# KiCad board URC.kicad_pcb (continued)
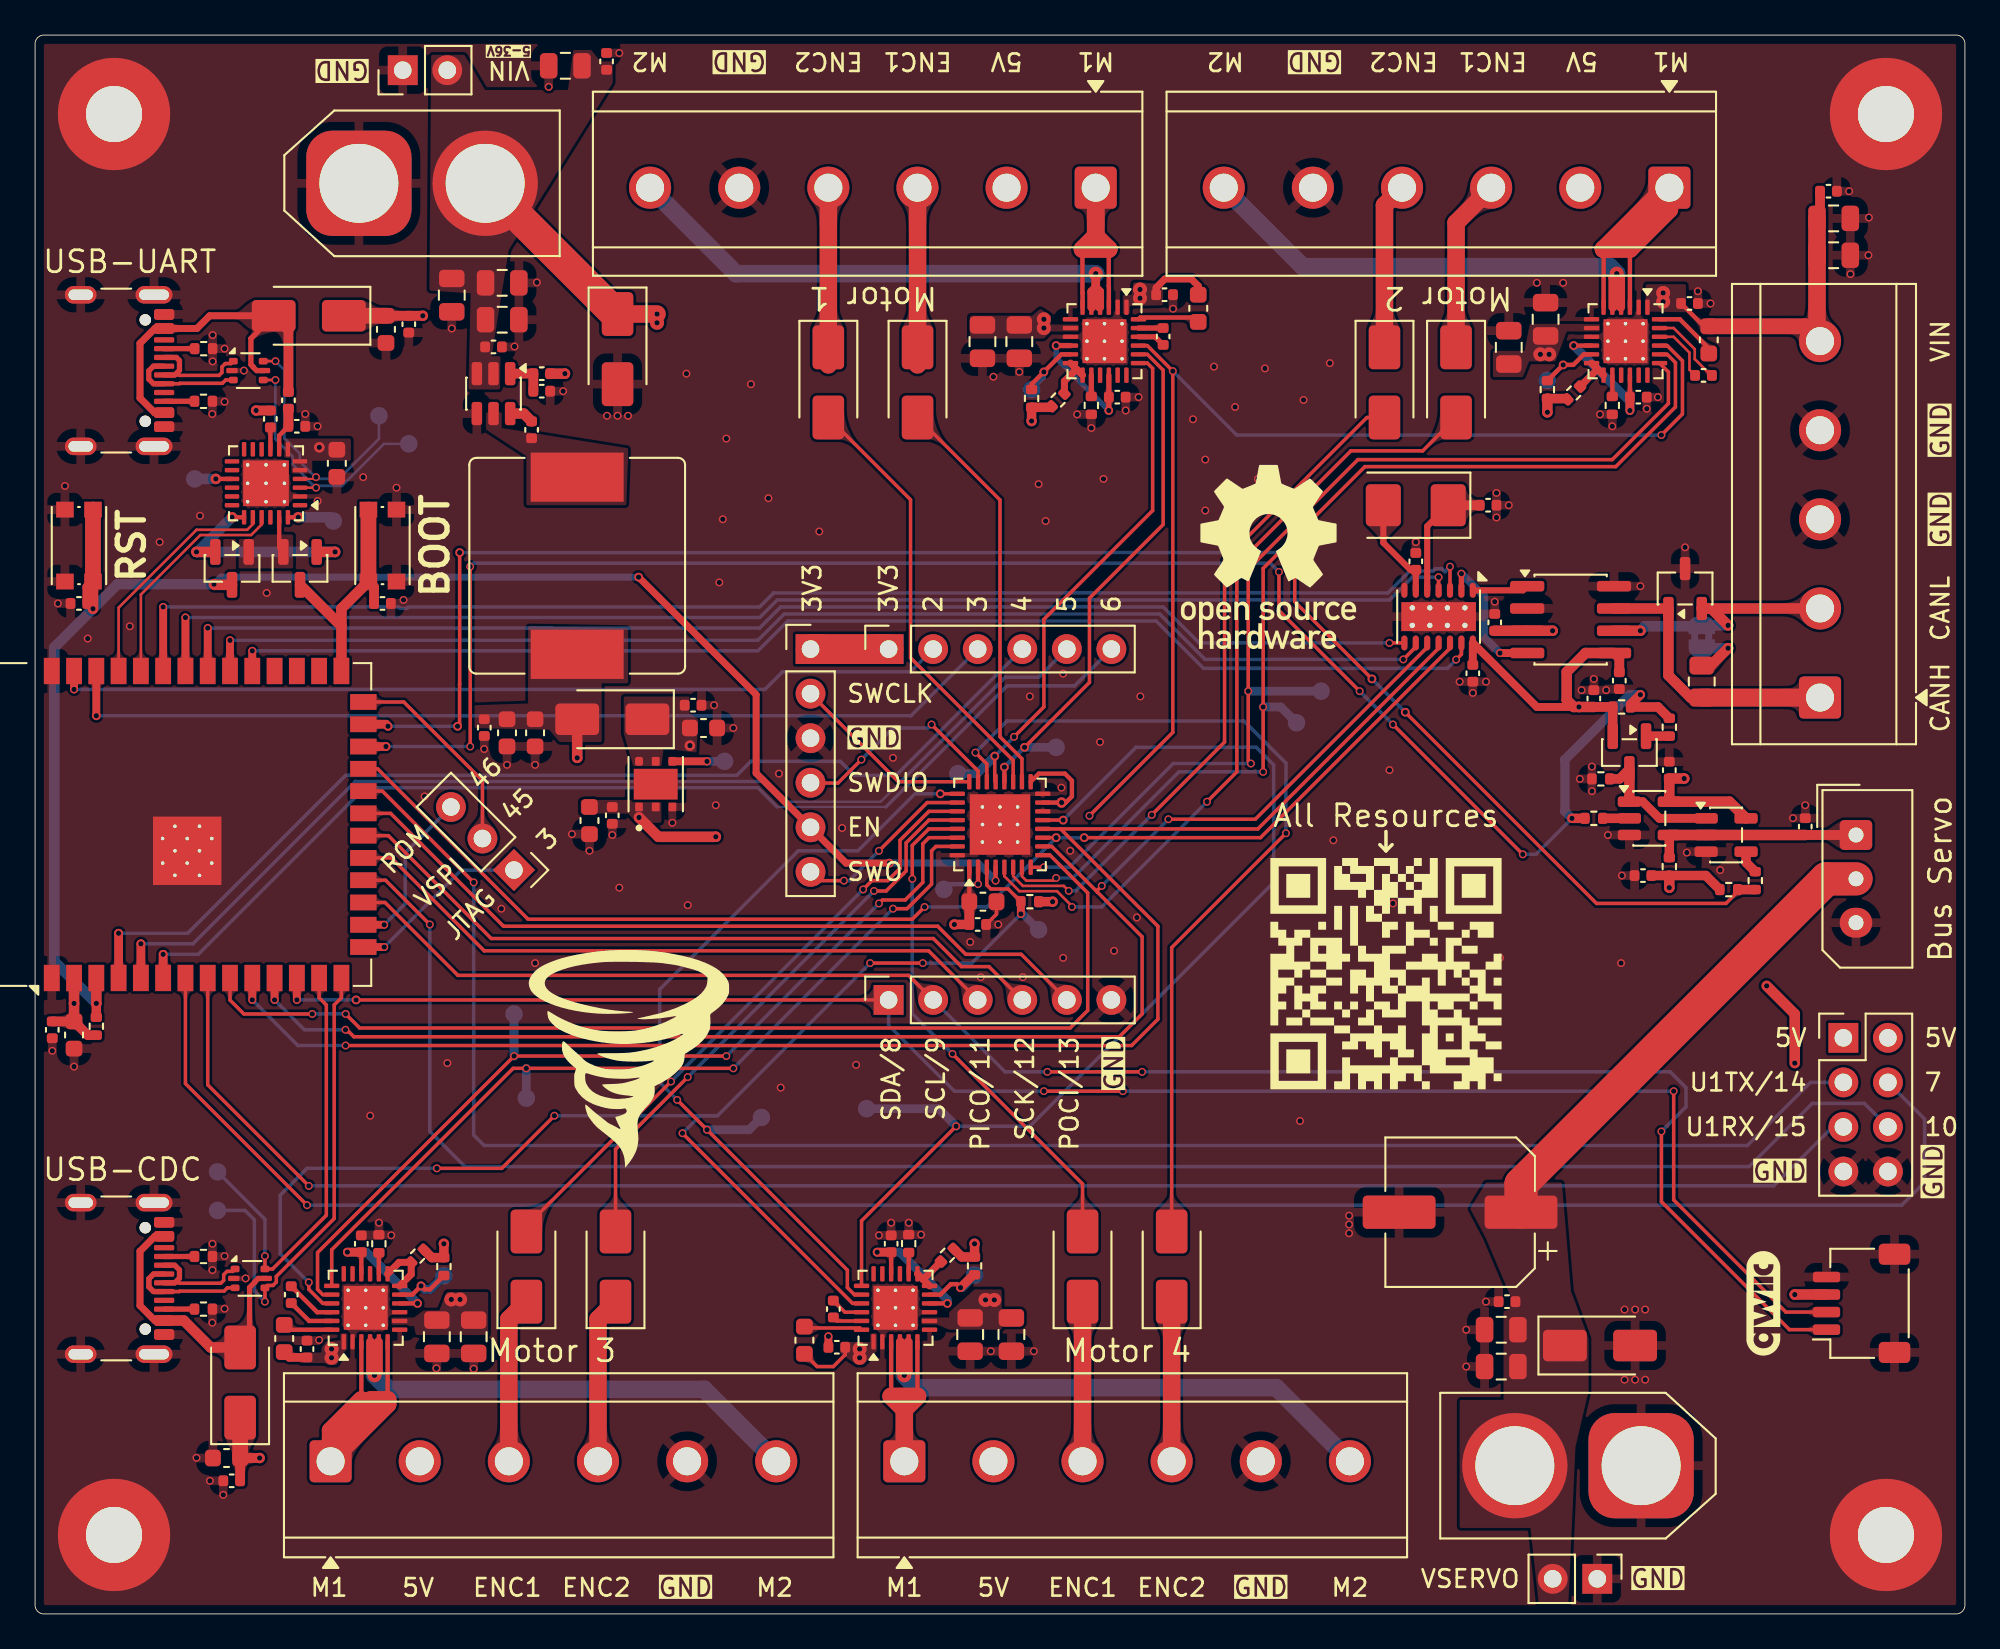
[diagram p0: board, top side]
## Library data of the parts (continued)
R5 = -: Datasheet: https://yageogroup.com/content/datasheet/asset/file/PYU-RC_GROUP_51_ROHS_L; Description: Resistor; KiLib_Generator: SMD_2terminal_chip_molded; Manufacturer: YAGEO; MPN: RC0402JR-071KL; ki_fp_filters: R_*
R6 = -: Datasheet: https://industrial.panasonic.com/cdbs/www-data/pdf/RDA0000/AOA0000C304.pdf; Description: Resistor; KiLib_Generator: SMD_2terminal_chip_molded; Manufacturer: Panasonic; MPN: ERJ-2RKF2212X; ki_fp_filters: R_*
R7 = -: Datasheet: https://yageogroup.com/content/datasheet/asset/file/PYU-RC_GROUP_51_ROHS_L; Description: Resistor; KiLib_Generator: SMD_2terminal_chip_molded; Manufacturer: YAGEO; MPN: RC0402FR-0747K5L; ki_fp_filters: R_*
R8 R11 R12 R15 R17 R19 R20 R23 R24 R26 R27 R29-R31 = -: Datasheet: https://yageogroup.com/content/datasheet/asset/file/PYU-RC_GROUP_51_ROHS_L; Description: Resistor; KiLib_Generator: SMD_2terminal_chip_molded; Manufacturer: YAGEO; MPN: RC0402JR-0710KL; ki_fp_filters: R_*
R9 = -: Datasheet: https://yageogroup.com/content/datasheet/asset/file/PYU-RT_1-TO-0-01_ROHS_L; Description: Resistor; KiLib_Generator: SMD_2terminal_chip_molded; Manufacturer: YAGEO; MPN: RT0402BRE07100KL; ki_fp_filters: R_*
R10 = -: Datasheet: https://yageogroup.com/content/datasheet/asset/file/PYU-RT_1-TO-0-01_ROHS_L; Description: Resistor; KiLib_Generator: SMD_2terminal_chip_molded; Manufacturer: YAGEO; MPN: RT0402BRD0719K1L; ki_fp_filters: R_*
R13 = -: Datasheet: https://yageogroup.com/content/datasheet/asset/file/PYU-RC_GROUP_51_ROHS_L; Description: Resistor; KiLib_Generator: SMD_2terminal_chip_molded; Manufacturer: YAGEO; MPN: RC0402JR-0720KL; ki_fp_filters: R_*
R14 R16 = -: Datasheet: https://industrial.panasonic.com/cdbs/www-data/pdf/RDO0000/AOA0000C331.pdf; Description: Resistor; KiLib_Generator: SMD_2terminal_chip_molded; Manufacturer: Panasonic; MPN: ERJ-PA2J101X; ki_fp_filters: R_*
R18 = -: Datasheet: https://industrial.panasonic.com/cdbs/www-data/pdf/RDP0000/AOA0000C337.pdf; Description: Resistor; KiLib_Generator: SMD_2terminal_chip_molded; Manufacturer: Panasonic; MPN: ERJ-UP6F1200V; ki_fp_filters: R_*
R21 R22 R25 R28 = -: Datasheet: https://yageogroup.com/content/datasheet/asset/file/PYU-RC_GROUP_51_ROHS_L; Description: Resistor; KiLib_Generator: SMD_2terminal_chip_molded; Manufacturer: YAGEO; MPN: RC0402FR-07330KL; ki_fp_filters: R_*
SW1 SW2 = -: Datasheet: http://www.ckswitches.com/media/1479/kmr2.pdf; Description: Push button switch, generic, two pins; Manufacturer: C&K; MPN: KMR223G LFG
TP1-TP7 TP9-TP22 = -: Description: test point; ki_fp_filters: Pin* Test*
U1 U2 = -: Datasheet: https://www.st.com/resource/en/datasheet/usblc6-2.pdf; Description: Very low capacitance ESD protection diode, 2 data-line, SOT-666; Manufacturer: STMicroelectronics; ki_fp_filters: SOT?666*
U3 = -: Datasheet: https://www.silabs.com/documents/public/data-sheets/cp2102n-datasheet.pdf; Description: USB to UART master bridge, QFN-24; KiLib_Generator: package/no_lead; Manufacturer: Silicon Labs; ki_fp_filters: QFN*4x4mm*P0.5mm*
U4 = -: Datasheet: https://www.espressif.com/sites/default/files/documentation/esp32-s3-wroom-1_wroom-1u_datasheet_en.pdf; Description: RF Module, ESP32-S3 SoC, Wi-Fi 802.11b/g/n, Bluetooth, BLE, 32-bit, 3.3V, onboard antenna, SMD; Manufacturer: Espressif Systems; MPN: ESP32-S3-WROOM-1-N16R8; ki_fp_filters: ESP32?S3?WROOM?1*
U5 = -: Datasheet: https://www.ti.com/lit/ds/symlink/lmr51635.pdf; Description: 4.3V to 60V, 3.5A, Synchronous, Buck Converter With Low IQ; KiLib_Generator: package/gullwing; Manufacturer: Texas Instruments; ki_fp_filters: SOT?23*
U6 = -: Datasheet: https://www.st.com/content/ccc/resource/technical/document/datasheet/4b/e6/2e/a4/16/04/46/9d/DM00102135.pdf/files/DM00102135.pdf/jcr:content/translations/en.DM00102135.pdf; Description: 2 A high PSRR ultra low drop linear regulator with reverse current protection; Manufacturer: STMicroelectronics; ki_fp_filters: SOT?23*
U7 = -: Datasheet: http://www.ti.com/lit/ds/symlink/sn74lvc1g125.pdf; Description: Single Buffer Gate Tri-State, Low-Voltage CMOS, SOT-23-5; KiLib_Generator: package/gullwing; Manufacturer: Texas Instruments; MPN: SN74LVC1G125DBVR; ki_fp_filters: SOT?23*
U8 = -: Datasheet: http://www.ti.com/lit/ds/symlink/sn74lvc1g126.pdf; Description: Single Bus Buffer Gate With 3-State Output; KiLib_Generator: package/gullwing; Manufacturer: Texas Instruments; MPN: SN74LVC1G126DBVR; ki_fp_filters: SOT?23*
U9 = -: Datasheet: https://ww1.microchip.com/downloads/aemDocuments/documents/OTH/ProductDocuments/DataSheets/External-CAN-FD-Controller-with-SPI-Interface-DS20006027B.pdf; Description: CAN FD Controller with SPI Interface, up to 8 Mbps, Vdd 2.7..5.5V,  functional safety ready, VDFN-14; Manufacturer: Microchip Technology; MPN: MCP2518FDT-E/QBB; ki_fp_filters: DFN*1EP*3x4.5mm*P0.65mm*
U10 = -: Datasheet: http://ww1.microchip.com/downloads/en/DeviceDoc/25167A.pdf; Description: High-Speed CAN Transceiver, 1Mbps, 5V supply, Vio pin, -40C to +125C, SOIC-8; KiLib_Generator: package/gullwing; Manufacturer: Microchip Technology; MPN: MCP2562-E/SN; ki_fp_filters: SOIC*3.9x4.9mm*P1.27mm*
U11 = -: Datasheet: https://www.st.com/resource/en/datasheet/stm32g431kb.pdf; Description: STMicroelectronics Arm Cortex-M4 MCU, 128KB flash, 32KB RAM, 170 MHz, 1.71-3.6V, 26 GPIO, UFQFPN32; KiLib_Generator: package/no_lead; Manufacturer: STMicroelectronics; ki_fp_filters: QFN*1EP*5x5mm*P0.5mm*
U12-U15 = -: Datasheet: https://www.ti.com/lit/ds/symlink/drv8256.pdf; Description: H-Bridge Motor Driver With Integrated Current Sense and Smart Tune Technology; KiLib_Generator: package/no_lead; Manufacturer: Texas Instruments; ki_fp_filters: Texas*RGP0020D*
Y1 = -: Datasheet: https://www.hcixtal.com/uploads/44524/files/0153G2.pdf; Description: Two pin crystal; KiLib_Generator: crystal_resonator_oscillator; Manufacturer: SUZHOU HANGJING ELEC&TECH CO., LTD; MPN: 0153G2-40.000F18HPLJK; ki_fp_filters: Crystal*

## Footprints (pads in the part's own frame, mm; a bottom-side part is the same pattern mirrored in y, then rotated)
AMASS_XT60-M_1x02_P7.20mm_Vertical
  rrect 6x6 hole 4.5: 1(0,0)
  round 6 hole 4.5: 2(7.2,0)
C_0402_1005Metric
  rrect 0.56x0.62 smd: 1(-0.48,0) 2(0.48,0)
C_0603_1608Metric
  rrect 0.9x0.95 smd: 1(-0.775,0) 2(0.775,0)
C_0805_2012Metric
  rrect 1x1.45 smd: 1(-0.95,0) 2(0.95,0)
CP_Elec_8x6.9
  rrect 4.15x1.9 smd: 1(-3.475,0) 2(3.475,0)
Crystal_SMD_5032-2Pin_5.0x3.2mm
  rrect 2x2.4 smd: 1(-1.85,0) 2(1.85,0)
D_SMA
  rrect 2.5x1.8 smd: 1(-2,0) 2(2,0)
DFN-14-1EP_3x4.5mm_P0.65mm_EP1.65x4.25mm_ThermalVias
  rect 1.5x0.3 smd: (0,1.9) (0,-1.9)
  rect 0.5x0.5 smd: (0,1.5) (0,0.5) (0,-0.5) (0,-1.5)
  rect 1.5x0.5 smd: (0,1) (0,0) (0,-1)
  oval 0.85x0.35 smd: 1(-1.5,1.95) 2(-1.5,1.3) 3(-1.5,0.65) 4(-1.5,0) 5(-1.5,-0.65) 6(-1.5,-1.3) 7(-1.5,-1.95) 8(1.5,-1.95) 9(1.5,-1.3) 10(1.5,-0.65) 11(1.5,0) 12(1.5,0.65) 13(1.5,1.3) 14(1.5,1.95)
  round 0.65 hole 0.3: 15(-0.5,1.5) 15(-0.5,0.5) 15(-0.5,-0.5) 15(-0.5,-1.5) 15(0.5,1.5) 15(0.5,0.5) 15(0.5,-0.5) 15(0.5,-1.5)
  rect 1.65x4.25 smd: 15(0,0)
  rect 1.65x4.25 smd far side: 15(0,0)
ESP32-S3-WROOM-1
  rect 0.9x0.9 smd: (-2.9,-1.06) (-2.9,-2.46) (-2.9,-3.86) (-1.5,-1.06) (-1.5,-2.46) (-1.5,-3.86) (-0.1,-1.06) (-0.1,-2.46) (-0.1,-3.86)
  rect 1.5x0.9 smd: 1(-8.75,5.26) 2(-8.75,3.99) 3(-8.75,2.72) 4(-8.75,1.45) 5(-8.75,0.18) 6(-8.75,-1.09) 7(-8.75,-2.36) 8(-8.75,-3.63) 9(-8.75,-4.9) 10(-8.75,-6.17) 11(-8.75,-7.44) 12(-8.75,-8.71) 13(-8.75,-9.98) 14(-8.75,-11.25) 27(8.75,-11.25) 28(8.75,-9.98) 29(8.75,-8.71) 30(8.75,-7.44) 31(8.75,-6.17) 32(8.75,-4.9) 33(8.75,-3.63) 34(8.75,-2.36) 35(8.75,-1.09) 36(8.75,0.18) 37(8.75,1.45) 38(8.75,2.72) 39(8.75,3.99) 40(8.75,5.26)
  rect 0.9x1.5 smd: 15(-6.985,-12.5) 16(-5.715,-12.5) 17(-4.445,-12.5) 18(-3.175,-12.5) 19(-1.905,-12.5) 20(-0.635,-12.5) 21(0.635,-12.5) 22(1.905,-12.5) 23(3.175,-12.5) 24(4.445,-12.5) 25(5.715,-12.5) 26(6.985,-12.5)
  round 0.6 hole 0.2: 41(-2.9,-1.76) 41(-2.9,-3.16) 41(-2.2,-1.06) 41(-2.2,-2.46) 41(-2.2,-3.86) 41(-1.5,-1.76) 41(-1.5,-3.16) 41(-0.8,-1.06) 41(-0.8,-2.46) 41(-0.8,-3.86) 41(-0.1,-1.76) 41(-0.1,-3.16)
  rect 3.9x3.9 smd: 41(-1.5,-2.46)
JST_SH_SM04B-SRSS-TB_1x04-1MP_P1.00mm_Horizontal
  rrect 0.6x1.55 smd: 1(-1.5,2) 2(-0.5,2) 3(0.5,2) 4(1.5,2)
  rrect 1.2x1.8 smd: MP(-2.8,-1.875) MP(2.8,-1.875)
L_Bourns_SRR1210A
  rect 2.8x5.3 smd: 1(-5.05,0) 2(5.05,0)
LD39200PU33R
  rrect 0.5x0.44 smd: 1(-1.3,0.95)
  rrect 0.5x0.45 smd: 2(-1.3,0) 3(-1.3,-0.95) 4(1.3,-0.95) 5(1.3,0) 6(1.3,0.95)
  rect 1.75x2.5 smd: 3(0,0)
Molex_SPOX_5267-03A_1x03_P2.50mm_Vertical
  rrect 1.7x1.85 hole 0.85: 1(0,0)
  oval 1.7x1.85 hole 0.85: 2(2.5,0) 3(5,0)
MountingHole_3.2mm_M3_Pad
  round 6.4 hole 3.2: 1(0,0)
PinHeader_1x02_P2.54mm_Vertical
  rect 1.7x1.7 hole 1: 1(0,0)
  round 1.7 hole 1: 2(0,-2.54)
PinHeader_1x03_P2.54mm_Vertical
  rect 1.7x1.7 hole 1: 1(0,0)
  round 1.7 hole 1: 2(0,-2.54) 3(0,-5.08)
PinHeader_1x06_P2.54mm_Vertical
  rect 1.7x1.7 hole 1: 1(0,0)
  round 1.7 hole 1: 2(0,-2.54) 3(0,-5.08) 4(0,-7.62) 5(0,-10.16) 6(0,-12.7)
PinHeader_2x04_P2.54mm_Vertical
  rect 1.7x1.7 hole 1: 1(0,0)
  round 1.7 hole 1: 2(2.54,0) 3(0,-2.54) 4(2.54,-2.54) 5(0,-5.08) 6(2.54,-5.08) 7(0,-7.62) 8(2.54,-7.62)
PinSocket_1x06_P2.54mm_Vertical
  rect 1.7x1.7 hole 1: 1(0,0)
  round 1.7 hole 1: 2(0,-2.54) 3(0,-5.08) 4(0,-7.62) 5(0,-10.16) 6(0,-12.7)
QFN-24-1EP_4x4mm_P0.5mm_EP2.6x2.6mm_ThermalVias
  rrect 1.13x1.13 smd: (-0.65,0.65) (-0.65,-0.65) (0.65,0.65) (0.65,-0.65)
  rrect 0.825x0.25 smd: 1(-1.938,1.25) 2(-1.938,0.75) 3(-1.938,0.25) 4(-1.938,-0.25) 5(-1.938,-0.75) 6(-1.938,-1.25) 13(1.938,-1.25) 14(1.938,-0.75) 15(1.938,-0.25) 16(1.938,0.25) 17(1.938,0.75) 18(1.938,1.25)
  rrect 0.25x0.825 smd: 7(-1.25,-1.938) 8(-0.75,-1.938) 9(-0.25,-1.938) 10(0.25,-1.938) 11(0.75,-1.938) 12(1.25,-1.938) 19(1.25,1.938) 20(0.75,1.938) 21(0.25,1.938) 22(-0.25,1.938) 23(-0.75,1.938) 24(-1.25,1.938)
  round 0.5 hole 0.2: 25(-1.05,1.05) 25(-1.05,0) 25(-1.05,-1.05) 25(0,1.05) 25(0,0) 25(0,-1.05) 25(1.05,1.05) 25(1.05,0) 25(1.05,-1.05)
  rect 2.6x2.6 smd: 25(0,0)
  rect 2.6x2.6 smd far side: 25(0,0)
QFN-32-1EP_5x5mm_P0.5mm_EP3.45x3.45mm_ThermalVias
  rrect 0.93x0.93 smd: (-1.15,1.15) (-1.15,0) (-1.15,-1.15) (0,1.15) (0,0) (0,-1.15) (1.15,1.15) (1.15,0) (1.15,-1.15)
  rrect 0.875x0.25 smd: 1(-2.438,1.75) 2(-2.438,1.25) 3(-2.438,0.75) 4(-2.438,0.25) 5(-2.438,-0.25) 6(-2.438,-0.75) 7(-2.438,-1.25) 8(-2.438,-1.75) 17(2.438,-1.75) 18(2.438,-1.25) 19(2.438,-0.75) 20(2.438,-0.25) 21(2.438,0.25) 22(2.438,0.75) 23(2.438,1.25) 24(2.438,1.75)
  rrect 0.25x0.875 smd: 9(-1.75,-2.438) 10(-1.25,-2.438) 11(-0.75,-2.438) 12(-0.25,-2.438) 13(0.25,-2.438) 14(0.75,-2.438) 15(1.25,-2.438) 16(1.75,-2.438) 25(1.75,2.438) 26(1.25,2.438) 27(0.75,2.438) 28(0.25,2.438) 29(-0.25,2.438) 30(-0.75,2.438) 31(-1.25,2.438) 32(-1.75,2.438)
  round 0.5 hole 0.2: 33(-1,1) 33(-1,0) 33(-1,-1) 33(0,1) 33(0,0) 33(0,-1) 33(1,1) 33(1,0) 33(1,-1)
  rect 2.5x2.5 smd far side: 33(0,0)
  rect 3.45x3.45 smd: 33(0,0)
R_0402_1005Metric
  rrect 0.54x0.64 smd: 1(-0.51,0) 2(0.51,0)
R_0805_2012Metric
  rrect 1.025x1.4 smd: 1(-0.912,0) 2(0.912,0)
SOIC-8_3.9x4.9mm_P1.27mm
  rrect 1.95x0.6 smd: 1(-2.475,1.905) 2(-2.475,0.635) 3(-2.475,-0.635) 4(-2.475,-1.905) 5(2.475,-1.905) 6(2.475,-0.635) 7(2.475,0.635) 8(2.475,1.905)
SolderJumper-2_P1.3mm_Bridged2Bar_RoundedPad1.0x1.5mm
  custom 1x1.5 smd: 1(-0.65,0) 2(0.65,0)
SOT-23
  rrect 1.475x0.6 smd: 1(-0.938,0.95) 2(-0.938,-0.95) 3(0.938,0)
SOT-23-3
  rrect 1.325x0.6 smd: 1(-1.137,0.95) 2(-1.137,-0.95) 3(1.137,0)
SOT-23-5
  rrect 1.325x0.6 smd: 1(-1.137,0.95) 2(-1.137,0) 3(-1.137,-0.95) 4(1.137,-0.95) 5(1.137,0.95)
SOT-666
  rrect 0.5x0.375 smd: 1(-0.85,0.537) 3(-0.85,-0.537) 4(0.85,-0.537) 6(0.85,0.537)
  rrect 0.65x0.3 smd: 2(-0.925,0) 5(0.925,0)
SW_Push_1P1T_NO_CK_KMR2
  rect 0.9x1 smd: 1(-2.05,0.8) 1(2.05,0.8) 2(-2.05,-0.8) 2(2.05,-0.8)
TerminalBlock_CUI_TB007-508-05_1x05_P5.08mm_Horizontal
  rrect 2.4x2.4 hole 1.6: 1(0,0)
  round 2.4 hole 1.6: 2(5.08,0) 3(10.16,0) 4(15.24,0) 5(20.32,0)
TerminalBlock_CUI_TB007-508-06_1x06_P5.08mm_Horizontal
  rrect 2.4x2.4 hole 1.6: 1(0,0)
  round 2.4 hole 1.6: 2(5.08,0) 3(10.16,0) 4(15.24,0) 5(20.32,0) 6(25.4,0)
TestPoint_Pad_D1.0mm
  round 1 smd: 1(0,0)
TSOT-23-6
  rrect 1.325x0.6 smd: 1(-1.137,0.95) 2(-1.137,0) 3(-1.137,-0.95) 4(1.137,-0.95) 5(1.137,0) 6(1.137,0.95)
USB_C_Receptacle_GCT_USB4105-xx-A_16P_TopMnt_Horizontal
  round 0.65 hole 0.65 unplated: (-2.89,2.605) (2.89,2.605)
  rrect 0.6x1.15 smd: A1(-3.2,3.68) A4(-2.4,3.68) A9(2.4,3.68) A12(3.2,3.68) B1(3.2,3.68) B4(2.4,3.68) B9(-2.4,3.68) B12(-3.2,3.68)
  rrect 0.3x1.15 smd: A5(-1.25,3.68) A6(-0.25,3.68) A7(0.25,3.68) A8(1.25,3.68) B5(1.75,3.68) B6(0.75,3.68) B7(-0.75,3.68) B8(-1.75,3.68)
  oval 1x2.1 hole 0.6x1.7: SH(-4.32,3.105) SH(4.32,3.105)
  oval 1x1.8 hole 0.6x1.4: SH(-4.32,-1.075) SH(4.32,-1.075)
VQFN-24-1EP_4x4mm_P0.5mm_EP2.5x2.5mm_ThermalVias
  rrect 0.93x0.93 smd: (-0.625,0.625) (-0.625,-0.625) (0.625,0.625) (0.625,-0.625)
  rrect 0.875x0.25 smd: 1(-1.938,1.25) 2(-1.938,0.75) 3(-1.938,0.25) 4(-1.938,-0.25) 5(-1.938,-0.75) 6(-1.938,-1.25) 13(1.938,-1.25) 14(1.938,-0.75) 15(1.938,-0.25) 16(1.938,0.25) 17(1.938,0.75) 18(1.938,1.25)
  rrect 0.25x0.875 smd: 7(-1.25,-1.938) 8(-0.75,-1.938) 9(-0.25,-1.938) 10(0.25,-1.938) 11(0.75,-1.938) 12(1.25,-1.938) 19(1.25,1.938) 20(0.75,1.938) 21(0.25,1.938) 22(-0.25,1.938) 23(-0.75,1.938) 24(-1.25,1.938)
  round 0.5 hole 0.2: 25(-1,1) 25(-1,0) 25(-1,-1) 25(0,1) 25(0,0) 25(0,-1) 25(1,1) 25(1,0) 25(1,-1)
  rect 2.5x2.5 smd: 25(0,0)
  rect 2.5x2.5 smd far side: 25(0,0)

## Nets
+3V3: C5.1 C6.1 C7.1 C18.1 C19.1 C20.1 C29.1 C32.1 C37.1 C38.1 C64.1 C65.1 J9.1 J15.3 J16.1 Q3.2 R5.1 R8.2 R11.2 R15.2 R17.2 R19.2 R20.2 R23.2 R24.2 R26.2 R27.2 R29.2 R30.2 R31.2 U3.5 U3.6 U3.7 U4.2 U6.1 U6.2 U7.5 U8.5 U9.14 U10.5 U11.1 U11.15 U11.17
+5V: C1.1 C2.1 C3.1 C4.1 C17.1 C33.1 C63.1 D1.1 D2.1 D3.1 J10.2 J11.2 J12.2 J13.2 J14.1 J14.2 U6.5 U6.6 U10.3
GND: C1.2 C2.2 C3.2 C4.2 C5.2 C6.2 C7.2 C8.1 C9.1 C10.2 C11.2 C12.2 C14.2 C15.2 C16.2 C17.2 C18.2 C19.2 C20.2 C21.2 C22.2 C23.2 C24.2 C25.2 C26.2 C27.2 C28.2 C29.2 C30.2 C31.1 C32.2 C33.2 C34.2 C35.2 C36.2 C37.2 C38.2 C41.2 C42.2 C43.2 C44.2 C45.2 C46.2 C47.2 C50.2 C51.2 C52.2 C53.2 C56.2 C57.2 C58.2 C59.2 C62.2 C63.2 C64.2 C65.2 D5.2 D6.3 D16.2 H1.1 H2.1 H3.1 H4.1 J1.A1 J1.A12 J1.B1 J1.B12 J1.SH J2.A1 J2.A12 J2.B1 J2.B12 J2.SH J3.1 J4.1 J5.1 J6.1 J7.3 J8.3 J8.4 J9.3 J10.5 J11.5 J12.5 J13.5 J14.7 J14.8 J15.4 J15.MP J17.6 R1.1 R2.1 R3.1 R4.1 R7.2 R10.2 R13.2 R21.1 R22.1 R25.1 R28.1 SW1.1 SW2.1 U1.2 U2.2 U3.2 U3.25 U4.1 U4.40 U4.41 U5.4 U6.3 U7.3 U8.3 U9.7 U9.15 U10.2 U10.8 U11.14 U11.16 U11.32 U11.33 U12.2 U12.7 U12.9 U12.25 U13.2 U13.7 U13.9 U13.25 U14.2 U14.7 U14.9 U14.25 U15.2 U15.7 U15.9 U15.25
VBUSA: D1.2 J1.A4 J1.A9 J1.B4 J1.B9 U1.5
VBUSB: D2.2 J2.A4 J2.A9 J2.B4 J2.B9 R6.1 U2.5
VIN: C10.1 C11.1 C12.1 C21.1 C22.1 C23.1 C34.1 C35.1 C36.1 C40.2 C41.1 C42.1 C43.1 C45.1 C46.1 C47.1 C49.2 C51.1 C52.1 C53.1 C55.2 C57.1 C58.1 C59.1 C61.2 D5.1 J3.2 J4.2 J8.5 U5.2 U5.3 U12.1 U12.8 U13.1 U13.8 U14.1 U14.8 U15.1 U15.8
/Drivers/RXCAN: U9.2 U10.4
/Drivers/TXCAN: U9.1 U10.1
/MCU and Connectors/1: J16.2 U4.39
/MCU and Connectors/2: J16.3 U4.38
/MCU and Connectors/4: J16.4 U4.4
/MCU and Connectors/5: J16.5 U4.5
/MCU and Connectors/6: J16.6 U4.6
/MCU and Connectors/JTAG/3: J18.1 U4.15
/MCU and Connectors/ROM/46: J18.3 U4.16
/MCU and Connectors/VDD_SPI/45: J18.2 U4.26
/Power and USB/UART_D+: TP6.1 U2.4 U3.3
/Power and USB/UART_D-: TP5.1 U2.6 U3.4
/Power and USB/USB_D+: J1.A6 J1.B6 U1.3
/Power and USB/USB_D-: J1.A7 J1.B7 U1.1
/Power and USB/USB_UART_D+: J2.A6 J2.B6 U2.3
/Power and USB/USB_UART_D-: J2.A7 J2.B7 U2.1
/STM32 and Motor Drivers/SWCLK: J9.2 U11.24
/STM32 and Motor Drivers/SWDIO: J9.4 U11.23
/STM32 and Motor Drivers/SWO: J9.6 U11.26
BOOT: C9.2 Q2.3 SW2.2 U4.27
CAN_CLKO/42: U4.35 U9.3
CAN_CS/38: U4.31 U9.13
CAN_H: D6.1 J8.1 R18.1 U10.7
CAN_INT0/39: U4.32 U9.9
CAN_INT1/40: U4.33 U9.8
CAN_INT/41: U4.34 U9.4
CAN_L: D6.2 J8.2 JP1.1 U10.6
D+: TP4.1 U1.4 U4.14
D-: TP3.1 U1.6 U4.13
EN: C8.2 J9.5 Q1.3 R8.1 SW1.2 U4.3 U11.4
ENC1: D7.2 U11.18
ENC2: D8.2 U11.19
ENC3: D9.2 U11.5
ENC4: D10.2 U11.6
ENC5: D11.2 U11.27
ENC6: D12.2 U11.28
ENC7: D13.2 U11.29
ENC8: D14.2 U11.22
IN1: TP11.1 U11.20 U12.20
IN2: TP12.1 U11.21 U12.19
IN3: TP13.1 U11.7 U13.20
IN4: TP18.1 U11.8 U13.19
IN5: TP19.1 U11.30 U14.20
IN6: TP20.1 U11.31 U14.19
IN7: TP21.1 U11.25 U15.20
IN8: TP22.1 U11.13 U15.19
LIDAR_IO2/7: J14.4 U4.7
LIDAR_IO3/10: J14.6 U4.18
nSLEEP: R31.1 TP9.1 U11.3 U12.21 U13.21 U14.21 U15.21
OUT1: J10.1 U12.3 U12.6
OUT2: J10.6 U12.4 U12.5
OUT3: J11.1 U13.3 U13.6
OUT4: J11.6 U13.4 U13.5
OUT5: J12.1 U14.3 U14.6
OUT6: J12.6 U14.4 U14.5
OUT7: J13.1 U15.3 U15.6
OUT8: J13.6 U15.4 U15.5
PICO1/17: U4.10 U9.11 U11.12
PICO/11: J17.3 U4.19
POCI1/21: U4.23 U9.12 U11.11
POCI/13: J17.5 U4.21
SCK1/18: U4.11 U9.10 U11.10
SCK/12: J17.4 U4.20
SCL/9: J15.1 J17.2 U4.17
SDA/8: J15.2 J17.1 U4.12
SERVO_DATA: C27.1 J7.1 R11.1 U7.2 U8.4
STM32_CS/16: U4.9 U11.9
U0RX: U3.21 U4.36
U0TX: U3.20 U4.37
U1RX/15: J14.5 U4.8
U1TX/14: J14.3 U4.22
U2RX/48: R14.1 R15.1 U4.25
U2TX/47: R12.1 R16.2 R17.1 U4.24
VSERVO: C24.1 C25.1 C26.1 C28.1 D16.1 J5.2 J6.2 J7.2
Net-(D3-A): C14.1 C15.1 C16.1 D3.2 L1.2 R9.1
Net-(D7-K): D7.1 J10.3
Net-(D8-K): D8.1 J10.4
Net-(D9-K): D9.1 J11.3
Net-(D10-K): D10.1 J11.4
Net-(D11-K): D11.1 J12.3
Net-(D12-K): D12.1 J12.4
Net-(D13-K): D13.1 J13.3
Net-(D14-K): D14.1 J13.4
Net-(J1-CC1): J1.A5 R1.2
Net-(J1-CC2): J1.B5 R2.2
Net-(J2-CC1): J2.A5 R3.2
Net-(J2-CC2): J2.B5 R4.2
Net-(JP1-B): JP1.2 R18.2
Net-(Q1-B): Q1.1 Q2.2 U3.23
Net-(Q1-E): Q1.2 Q2.1 U3.19
Net-(Q3-B): Q3.1 R12.2
Net-(Q3-C): Q3.3 R13.1 U7.1 U8.1
Net-(R14-Pad2): R14.2 U7.4
Net-(R16-Pad1): R16.1 U8.2
Net-(U3-VBUS): R6.2 R7.1 U3.8
Net-(U3-~{DCD}): TP2.1 U3.24
Net-(U3-~{RST}): R5.2 U3.9
Net-(U3-~{SUSPEND}): TP1.1 U3.15
Net-(U5-CB): C13.1 U5.6
Net-(U5-FB): R9.2 R10.1 U5.1
Net-(U5-SW): C13.2 L1.1 U5.5
Net-(U6-PG): TP7.1 U6.4
Net-(U9-OSC1): C31.2 U9.6 Y1.2
Net-(U9-OSC2): C30.1 U9.5 Y1.1
Net-(U11-PF0): TP10.1 U11.2
Net-(U12-CPH): C39.2 U12.23
Net-(U12-CPL): C39.1 U12.22
Net-(U12-DECAY): C44.1 U12.10 U12.16
Net-(U12-nFAULT): R19.1 TP14.1 U12.11
Net-(U12-TOFF): R21.2 U12.14
Net-(U12-VCP): C40.1 U12.24
Net-(U12-VREF): R20.1 U12.12 U12.13
Net-(U13-CPH): C48.2 U13.23
Net-(U13-CPL): C48.1 U13.22
Net-(U13-DECAY): C50.1 U13.10 U13.16
Net-(U13-nFAULT): R23.1 TP15.1 U13.11
Net-(U13-TOFF): R22.2 U13.14
Net-(U13-VCP): C49.1 U13.24
Net-(U13-VREF): R24.1 U13.12 U13.13
Net-(U14-CPH): C54.2 U14.23
Net-(U14-CPL): C54.1 U14.22
Net-(U14-DECAY): C56.1 U14.10 U14.16
Net-(U14-nFAULT): R26.1 TP16.1 U14.11
Net-(U14-TOFF): R25.2 U14.14
Net-(U14-VCP): C55.1 U14.24
Net-(U14-VREF): R27.1 U14.12 U14.13
Net-(U15-CPH): C60.2 U15.23
Net-(U15-CPL): C60.1 U15.22
Net-(U15-DECAY): C62.1 U15.10 U15.16
Net-(U15-nFAULT): R29.1 TP17.1 U15.11
Net-(U15-TOFF): R28.2 U15.14
Net-(U15-VCP): C61.1 U15.24
Net-(U15-VREF): R30.1 U15.12 U15.13

Pads without a net: J1 A8 B8; J2 A8 B8; U3 1 10 11 12 13 14 16 17 18 22; U4 28 29 30; U12 15 17 18; U13 15 17 18; U14 15 17 18; U15 15 17 18

## Via types
v1: diameter 0.45, hole 0.3, Top to Bottom, 259 vias
v2: diameter 0.6, hole 0.3, Top to Bottom, 33 vias
v3: diameter 0.8, hole 0.3, Top to Bottom, 22 vias
v4: diameter 0.5, hole 0.3, Top to Bottom, 35 vias

## Routing (per net, layer and track width the routed paths; a pad name or vN(x,y) marks a point on that pad's centre or on a via; arc(x,y) is an arc through that point)
+3V3: length 340.7
  Top w0.25: U11.1 C38.1 ; U11.17 57.21,47.9 58.7,47.9 59.1,47.5 59.1,46.6 58.75,46.25 v2(58.51,46.25) U11.15
  Top w0.45: v2(88,51.7) 85.6,51.7 U9.14 C29.1
  Top w0.54: C37.1 v2(52.4,39.3) ; R27.2 22.61,20.31 R26.2 v2(23.3,21.1) ; R8.2 3,32.99 C6.1 ; R23.2 87.3,69.28 R24.2 ; R15.2 95.23,42.09 R11.2 C20.1 ; v2(56.8,68) R19.2 57.89,68.78 R20.2 ; Q3.2 R17.2 ; R31.2 v2(58,40.6) ; R30.2 52.82,20.35 R29.2 v2(53.55,21.1)
  Top w0.56: C37.1 C38.1 ; C7.1 C6.1 ; R5.1 v2(12.6,68.6) ; C65.1 R17.2 ; U10.5 90.3,54.47 C32.1
  Top w0.6: v2(86.2,68.5) R23.2 ; U4.2 v2(2.22,34.8) C6.1 ; U7.5 96.57,46.3 U8.5 C19.1 v2(94,47.62) ; v2(38.8,44.3) 35.53,44.3 v2(34.43,45.4) ; v2(93.15,41.4) R11.2 ; v1(100.3,31.4) 100.3,34.2 v1(98.7,35.8) ; U10.5 88.38,54.78 87.3,53.7 87.3,52.1 87.7,51.7 v2(88,51.7) C65.1 ; v2(100.3,18.2) J15.3
  Top w1.7: J9.1 J16.1
  In2.Cu w0.54: 38.8,36.6 41.5,39.3 v2(52.4,39.3) 53.7,40.6 v2(58,40.6) 56.8,41.8 56.8,44.54 v2(58.51,46.25)
  In2.Cu w0.6: 84.5,66.8 v2(86.2,68.5) ; 84.5,66.8 58,66.8 v2(56.8,68) 48.65,59.85 J16.1 ; 84.5,66.8 85.1,66.2 85.1,54.6 v2(88,51.7) 92.08,47.62 v2(94,47.62) 92.7,46.32 92.7,41.85 v2(93.15,41.4) 93.15,41.35 v1(98.7,35.8) ; v2(53.55,21.1) 53.55,21.85 38.8,36.6 ; 38.8,36.6 v2(38.8,44.3) 40.9,46.4 40.9,51.7 J9.1 ; 38.8,36.6 38.8,35.7 24.2,21.1 v2(23.3,21.1) ; v2(12.6,68.6) 12.89,68.6 14.99,66.5 v2(16.2,66.5) 16.2,65.7 18.9,63 18.9,53.8 27.3,45.4 v2(34.43,45.4) 34.43,44.72 20.9,31.2 5.82,31.2 v2(2.22,34.8) ; v2(100.3,18.2) v1(100.3,31.4)
+5V: length 317.9
  Top w0.56: C2.1 C1.1 v2(12.8,8.89) ; C3.1 C4.1 v2(22.1,74)
  Top w0.6: C33.1 U10.3 v2(86.5,56.05)
  Top w0.9: C1.1 D1.1 ; D2.1 C3.1
  In2.Cu w0.6: J14.1 103.07,36.83 95.8,44.1 95.8,49.6 89.35,56.05 v2(86.5,56.05) ; v2(12.8,8.89) 12.1,9.59 12.1,17.9 37.32,43.12 v2(37.32,49.5) 37.32,65.88 29.2,74 v2(22.1,74)
  In2.Cu w1: J14.2 J14.1 66.94,32.84 58.1,24 58.1,12.18 J13.2 50.82,4.9 25.72,4.9 J12.2 ; J11.2 85.28,84.1 58.18,84.1 J10.2 52.47,84.2 33.47,84.2 31,81.73 31,75.8 29.2,74 ; v2(12.8,8.89) 12.8,7.2 15.54,4.46 18.36,4.46 21.92,8.03
GND: length 2.2
  Top w0.2: C38.2 54.8,39.89 C37.2
  Top w0.45: v1(45.22,15.82) C59.2
  vias: v1(0.98,32.1) v1(1.3,57.6) v1(1.7,64.3) v1(2.22,31.2) v1(3,55.6) v1(5.4,56.3) v1(7.1,61.1) v1(9.2,8.9) v1(9.4,62.6) v1(9.96,7.59) v1(10.12,72.9) v1(10.12,71.4) v1(10.1,68.4) v1(10.11,21.1) v1(10.11,19.6) v1(10.1,16.6) v1(10.73,6.79) v1(10.8,72.12) v1(10.8,69.1) v1(10.8,20.4) v1(10.8,17.4) v1(11.9,70.88) v1(12,19.13) v1(13.2,58.2) v1(15.4,68.4) v1(16.1,67.7) v1(16.1,63.44) v1(16.19,15.61) v1(18.7,64.8) v1(19.1,28.4) v1(19.6,22.3) v1(20.3,21.58) v1(20.6,64.2) v1(21,57.8) v1(22.2,46.6) v1(22.88,14) v1(23.5,31.4) v1(23.75,73.28) v1(25,13.97) v1(25.6,49.3) v1(26.58,40.2) v1(26.9,48.4) v1(27.33,72.25) v1(28.5,48.4) v1(28.5,37.1) v1(28.6,75.9) v1(29.28,87.05) v1(30.1,69.7) v1(30.6,44.45) v1(31.6,43.5) v1(32.6,68.3) v1(32.9,44.4) v1(33.2,68.3) v1(33.3,88.97) v1(33.3,41.4) v1(33.8,68.3) v1(36.32,45.1) v1(37.12,70.7) v1(37.2,40.4) v1(38.7,51.8) v1(38.8,46.1) v1(39,58.8) v1(39.2,62.4) v1(39.4,67) v1(39.8,50.5) v1(40.8,70.1) v1(41.8,63.6) v1(42.4,47.9) v1(42.5,30) v1(44.7,61.7) v1(46,44.8) v1(46.8,31.3) v1(48.1,21.58) v1(48.79,22.3) v1(48.9,48.8) v1(49.8,22.3) v1(50.5,21.62) v1(53.3,38.3) v1(53.9,36.3) v1(54.47,14.97) v1(54.62,70.53) v1(54.9,39.3) v1(56.1,70.8) v1(56.3,36.3) v1(56.7,52.3) v1(56.93,14.97) v1(57.2,64.4) v1(57.6,62.3) v1(58.5,47.1) v1(58.6,53.6) v1(58.6,37.4) v1(59,43.5) v1(59.4,68.38) v1(60.21,67.6) v1(60.7,49.7) v1(60.9,64.7) v1(61.5,37.8) v1(62.16,68.6) v1(62.8,39.7) v1(62.9,69.36) v1(63,52.3) v1(64.86,74.4) v1(66,68.1) v1(66.7,65.8) v1(66.7,62.9) v1(67.2,71.1) v1(68.4,68.8) v1(69.7,64.7) v1(70.1,71) v1(72.1,28.1) v1(72.3,69.2) v1(73.1,37.4) v1(73.8,71.3) v1(74,44.1) v1(74.9,22.7) v1(74.9,22.2) v1(74.9,21.7) v1(77.2,48.1) v1(77.4,40.5) v1(78.7,61.1) v1(81.2,53.14) v1(81.57,16.2) v1(81.57,14.1) v1(81.95,52.5) v1(82.7,53.14) v1(82.7,17.8) v1(83.2,57.7) v1(83.3,63.9) v1(83.3,62.5) v1(83.5,37.4) v1(84,63.2) v1(85.6,75.88) v1(87.1,75.88) v1(88.05,47.6) v1(88.15,52.66) v1(88.74,48.3) v1(88.74,46.9) v1(88.85,53.3) v1(89.2,68.38) v1(89.55,52.66) v1(89.65,44.4) v1(89.9,67.7) v1(90.45,42.09) v1(90.4,37.1) v1(90.6,17.35) v1(90.6,13.35) v1(91.2,17.35) v1(91.2,13.35) v1(91.5,58.58) v1(91.78,17.35) v1(91.78,13.35) v1(91.87,68.7) v1(92.5,69.36) v1(94.05,60.8) v1(94.15,43.4) v1(94.78,75.4) v1(95.5,74.7) v1(96.05,42.4) v1(100.2,45.36) v1(100.9,46.1) v1(103.4,81.1) v1(103.47,76.38) v1(104.53,79.6) v1(104.5,77.45)
VBUSA: length 15.6
  Top w0.3: 12.22,15.72 12.22,18.61 12.53,18.91 12.53,18.92 12.73,19.13 U1.5
  Top w0.4: J1.A9 6.83,16.72 5.98,17.57 5.98,20.68 6.83,21.53 J1.A4
  Top w0.6: J1.A9 8.47,16.72 10.01,15.19 D1.2
VBUSB: length 22
  Top w0.3: D2.2 12.3,72.7 12.3,71.22 12.42,71.09 12.42,71.08 12.62,70.88 U2.5
  Top w0.4: D2.2 9.95,74 9.22,73.28 J2.A4 6.83,73.28 5.98,72.43 5.98,69.31 6.82,68.47 J2.A9
  Top w0.56: R6.1 14.44,73.16 D2.2
VIN: length 234.8
  Top w0.2: C59.1 46.18,14.78 45.5,14.1 44.57,14.1 C61.2
  Top w0.25: C47.1 95.12,73.4
  Top w0.4: C40.2 66.3,75.7 65.9,76.1 64.4,76.1 63.9,75.6 C41.1
  Top w0.5: C53.1 14.5,14.62 14.2,14.93
  Top w0.56: C36.1 101.74,79.72
  Top w0.9: J8.5 100.9,73.4 C49.2
  Top w1: 101.57,72.73 C35.1 C34.1 ; D5.1 v3(35.45,74.1)
  Top w1.8: D5.1 33.1,74.1 J3.2
  In2.Cu w0.8: v3(62.98,75.5) v3(62.98,75)
  In2.Cu w1: v3(57.5,73.8) v3(57.5,73.3) 55.85,73.3 46.4,63.85 46.4,52.2 55.4,52.2 67.4,40.2 67.4,36.9 55.65,25.15 55.65,18.88 v3(54.68,17.9) v3(54.18,17.9) 51.38,15.1 v3(47,15.1) v3(47,14.6) 27.55,14.6 v3(24.22,17.92) v3(23.72,17.92) 20.9,15.1 v3(16.9,15.1) v3(16.9,14.6) ; v3(57.5,73.8) 57.2,74.1 v3(35.45,74.1) v3(35.45,73.6) ; v3(57.5,73.8) 58.15,74.45 61.93,74.45 v3(62.98,75.5) ; J8.5 97.9,76.4 93.7,76.4 92.8,75.5 v3(92.8,74.8) 88.93,74.8 86.3,72.17 v3(86.3,71.8) v3(85.8,71.8) 84.85,72.75 65.23,72.75 v3(62.98,75)
  vias: v3(92.8,75.3)
/Drivers/RXCAN: length 7.9
  Top w0.3: U9.2 v1(81.3,59.3)
  Top w0.45: v1(83.5,54.78) U10.4
  Bottom w0.45: v1(81.3,59.3) 82.6,58 82.6,55.67 v1(83.5,54.78)
/Drivers/TXCAN: length 3.2
  Top w0.35: 85.05,58.58 84.81,58.35 U9.1
/MCU and Connectors/1: length 51
  Top w0.45: U4.39 v1(2.22,52.7)
  Bottom w0.2: v1(2.22,52.7) 41.6,52.7 42.6,53.7 49.89,53.7 J16.2
/MCU and Connectors/2: length 54.4
  Top w0.45: U4.38 v4(3.49,51.2)
  Bottom w0.2: v4(3.49,51.2) 49.93,51.2 J16.3
/MCU and Connectors/4: length 61.4
  Top w0.5: U4.4 v4(4.76,38.8)
  Bottom w0.2: v4(4.76,38.8) 8.7,38.8 17.7,47.8 40,47.8 40.8,48.6 45.9,48.6 46.7,47.8 49.07,47.8 J16.4
/MCU and Connectors/5: length 62.6
  Top w0.5: U4.5 v4(6.03,38.2)
  Bottom w0.13: 48.2,46.3 42.6,46.3
  Bottom w0.15: 49.3,47.4 48.2,46.3 ; 42.6,46.3 41.5,47.4
  Bottom w0.2: J16.5 57.21,53.4 55.3,53.4 49.3,47.4 ; 41.5,47.4 41.45,47.45 18.25,47.45 9,38.2 v4(6.03,38.2)
/MCU and Connectors/6: length 63.5
  Top w0.5: U4.6 v4(7.3,37.6)
  Bottom w0.13: 48.5,46 42.3,46
  Bottom w0.2: J16.6 59.25,52.9 55.4,52.9 48.5,46 ; v4(7.3,37.6) 9.3,37.6 18.8,47.1 41.2,47.1 42.3,46
/MCU and Connectors/JTAG/3: length 10.4
  Top w0.45: U4.15 v1(19.9,38.02)
  Bottom w0.2: J18.1 24.29,42.4 v1(19.9,38.02)
/MCU and Connectors/ROM/46: length 9.5
  Top w0.45: U4.16 v1(19.9,39.28)
  Bottom w0.2: v1(19.9,39.28) 21.1,40.48 21.1,43.39 J18.3
/MCU and Connectors/VDD_SPI/45: length 11.9
  Top w0.2: J18.2 25.5,47.5 21.02,51.98 U4.26
/Power and USB/UART_D+: length 15.1
  Top w0.15: U3.3 v1(16.01,64.2) ; U2.4 v1(13.7,70.34)
  Bottom w0.15: v1(13.7,70.34) 13.7,66.96 14.69,65.97 14.69,65.53 15.56,64.65 15.56,64.61 15.83,64.35 15.86,64.35 v1(16.01,64.2) 16.11,64.3 17.48,64.3 19.88,66.7 TP6.1
/Power and USB/UART_D-: length 15.1
  Top w0.12: U3.4 15.91,64.7 v1(16.01,64.8)
  Top w0.15: U2.6 v1(13.7,71.41)
  Bottom w0.15: TP5.1 19.6,66.98 17.32,64.7 16.11,64.7 v1(16.01,64.8) 15.98,64.8 15.09,65.69 15.09,66.14 14.2,67.03 14.2,70.91 v1(13.7,71.41)
/Power and USB/USB_D+: length 8.2
  Top w0.2: J1.B6 8.22,18.38 8.24,18.4 10.77,18.4 10.96,18.59 U1.3 ; 6.72,18.47 6.53,18.66 6.53,19.09 6.82,19.38 J1.A6
  Top w0.3: J1.A6 6.75,19.38 6.48,19.11 6.48,18.64 6.75,18.38 J1.B6
/Power and USB/USB_D-: length 7
  Top w0.2: J1.A7 8.22,18.88 8.24,18.85 10.59,18.85 10.75,19.01 10.75,19.34 10.94,19.53 11.26,19.53 U1.1
  Top w0.3: J1.A7 7.96,18.88 8.23,19.14 8.23,19.61 7.96,19.88 J1.B7
/Power and USB/USB_UART_D+: length 6.5
  Top w0.2: U2.3 10.86,70.34 10.67,70.15 8.24,70.15 8.22,70.12 J2.B6
  Top w0.3: J2.A6 6.75,71.12 6.48,70.86 6.48,70.39 6.75,70.12 J2.B6
/Power and USB/USB_UART_D-: length 7
  Top w0.2: J2.A7 8.22,70.62 8.24,70.6 10.49,70.6 10.65,70.76 10.65,71.09 10.84,71.28 11.16,71.28 U2.1
  Top w0.3: J2.A7 7.96,70.62 8.23,70.89 8.23,71.44 8.05,71.62 J2.B7
/STM32 and Motor Drivers/SWCLK: length 11.1
  Top w0.2: U11.24 49.21,47.44 44.21,52.44
/STM32 and Motor Drivers/SWDIO: length 12.6
  Top w0.2: v1(51.1,50.7) 53.75,48.05 U11.23 ; 44.21,47.36 45.76,47.36 v1(47.1,48.7)
  Bottom w0.2: v1(51.1,50.7) 50.9,50.5 48.9,50.5 v1(47.1,48.7)
/STM32 and Motor Drivers/SWO: length 9.7
  Top w0.2: 44.69,41.8 v1(46.1,41.8) ; v1(48.1,43.5) 50.85,46.25 U11.26
  Bottom w0.2: v1(46.1,41.8) 46.4,41.8 v1(48.1,43.5)
BOOT: length 14.6
  Top w0.56: C9.2 19.32,58.53 SW2.2
  Top w0.6: Q2.3 17.46,56.3 ; 17.46,56.3 17.46,57.31 SW2.2 ; 17.46,56.3 U4.27
  Top w0.9: SW2.2 SW2.2
CAN_CLKO/42: length 79.5
  Top w0.2: U9.3 v1(80.65,59.7)
  Top w0.45: U4.35 v1(7.3,57.4)
  Bottom w0.2: v1(7.3,57.4) 20.73,57.4 20.8,57.33 21.2,57.33 21.27,57.4 41.3,57.4 42.1,58.2 77.11,58.2 78.36,59.45 79.68,59.45 79.8,59.58 80.2,59.58 80.36,59.41 v1(80.65,59.7)
CAN_CS/38: length 72.9
  Top w0.2: v1(81,54.4) 81.3,54.7 U9.13
  Top w0.45: U4.31 v1(12.38,54.9)
  Bottom w0.2: 12.4,54.9 41.2,54.9 42.9,56.6 63.9,56.6 66.6,53.9 80.5,53.9 v1(81,54.4)
CAN_H: length 16.1
  Top w0.6: U10.7 D6.1 93.1,53.5 94.37,52.23 R18.1
  Top w1.025: R18.1 J8.1
CAN_INT0/39: length 71.3
  Top w0.2: 78.7,55.12 v1(77.99,54.41)
  Top w0.45: U4.32 v1(11.11,55.5)
  Bottom w0.2: v1(77.99,54.41) 66.69,54.41 64.1,57 42.7,57 41.2,55.5 v1(11.11,55.5)
CAN_INT1/40: length 72
  Top w0.2: U9.8 v1(77.2,55.35)
  Top w0.45: U4.33 v1(9.84,56.2)
  Bottom w0.2: v1(9.84,56.2) 41.3,56.2 42.5,57.4 64.3,57.4 66.35,55.35 v1(77.2,55.35)
CAN_INT/41: length 76.2
  Top w0.2: U9.4 v1(80,59.1)
  Top w0.45: U4.34 v1(8.57,56.8)
  Bottom w0.2: v1(80,59.1) 78.5,59.1 77.2,57.8 42.3,57.8 41.3,56.8 v1(8.57,56.8)
CAN_L: length 15.2
  Top w0.6: J8.2 D6.2 95.53,57.31 v2(96.5,56.35) ; U10.6 v2(91.5,56.05)
  Bottom w0.6: v2(91.5,56.05) 91.75,56.3 94.95,56.3 ; v2(96.5,56.35) JP1.1
D+: length 27.7
  Top w0.2: v1(13.1,17.8) U1.4 13.24,18.73 13.56,18.73 13.75,18.91 13.75,19.24 17.05,22.54 17.05,34.71 17.46,35.12 U4.14
  Bottom w0.2: v1(13.1,17.8) 12.5,18.4 12.5,22.46 11.96,23 TP4.1
D-: length 25.1
  Top w0.2: v1(13.1,20.4) U1.6 13.54,19.66 16.6,22.72 16.6,34.71 16.19,35.12 U4.13
  Bottom w0.2: TP3.1 13.1,22.5 v1(13.1,20.4)
EN: length 97.5
  Top w0.25: U11.4 v1(54.75,41.8)
  Top w0.4: v4(34.4,59.1) 41.1,52.4 41.1,47.93 46.23,42.8 v4(48.7,42.8)
  Top w0.54: R8.1 v2(3.49,34.8)
  Top w0.56: C8.2 2.98,58.53 SW1.2
  Top w0.6: v2(3.3,57.3) SW1.2 ; Q1.3 10.24,58.66 v2(10.2,58.7) ; v2(3.49,34.8) U4.3
  Top w0.9: SW1.2 SW1.2
  Bottom w0.4: v1(54.75,41.8) 53.75,42.8 v4(48.7,42.8) ; v2(10.2,58.7) 10.6,59.1 v4(34.4,59.1)
  Bottom w0.6: v2(10.2,58.7) 4.7,58.7 v2(3.3,57.3) 1.1,55.1 1.1,37.19 v2(3.49,34.8)
ENC1: length 23.2
  Top w0.2: D7.2 55,63.5 55,50 56.25,48.75 U11.18
ENC2: length 25.1
  Top w0.2: U11.19 55.75,48.65 49.9,54.5 49.9,63.52 D8.2
ENC3: length 45.5
  Top w0.15: v1(59.1,40.3) 59.05,40.35 59.05,40.4 58.25,41.2 56.1,41.2 55.25,42.05 U11.5
  Top w0.2: v1(66.8,46.3) 68.5,48 68.5,59.8 75,66.3 79.09,66.3 D9.2
  Bottom w0.2: v1(66.8,46.3) 60.8,40.3 v1(59.1,40.3)
